# KiCad board Mechboard.kicad_pcb
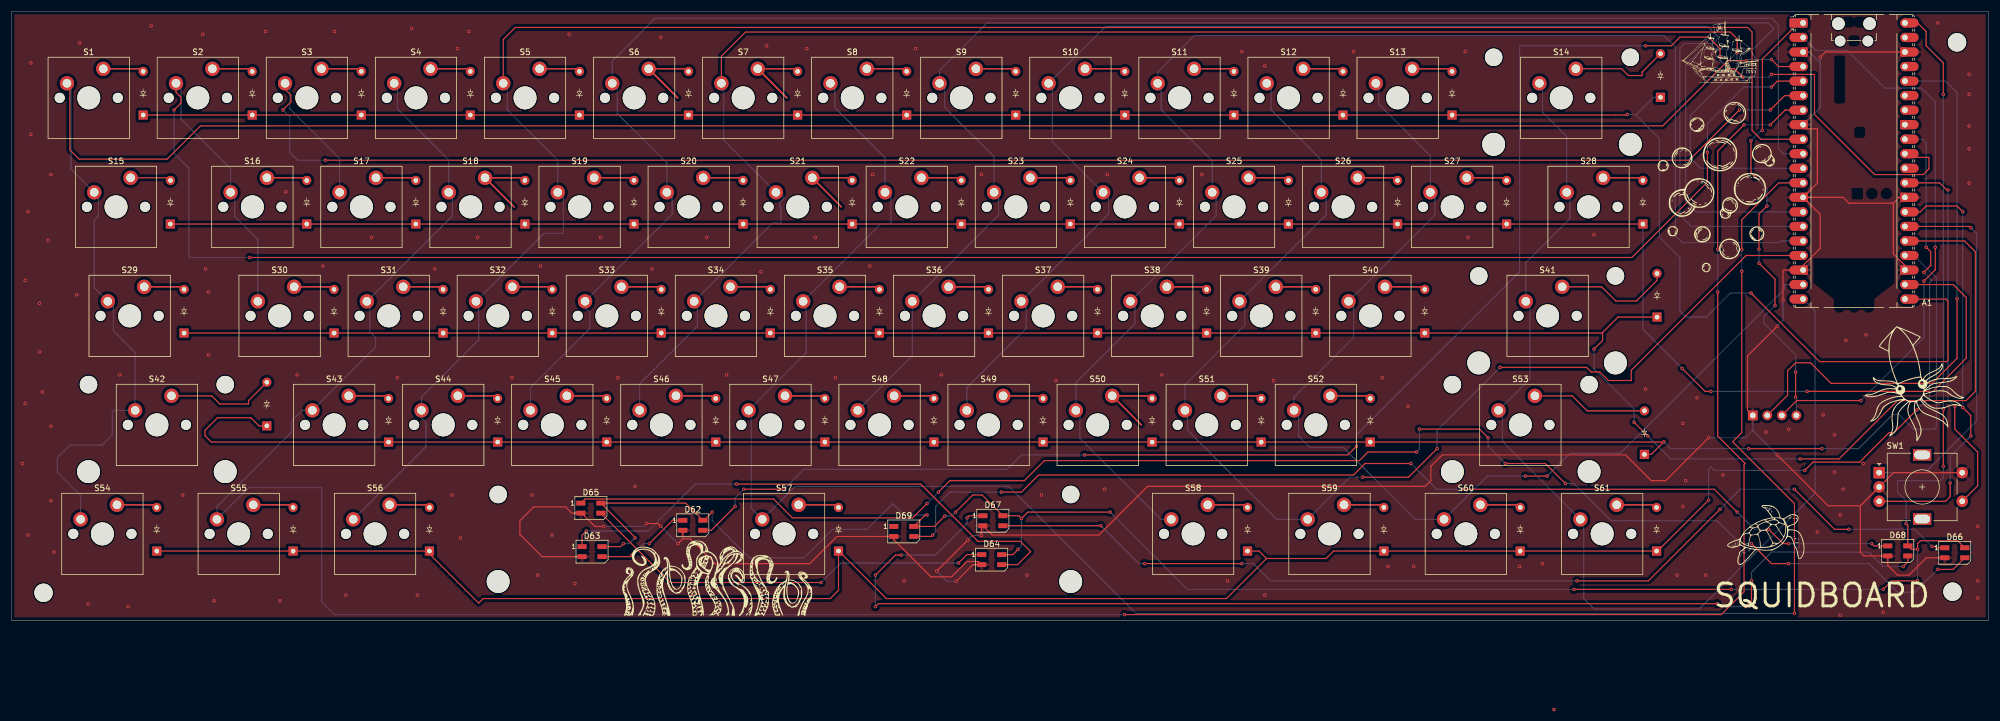
[diagram p0: board, top side]
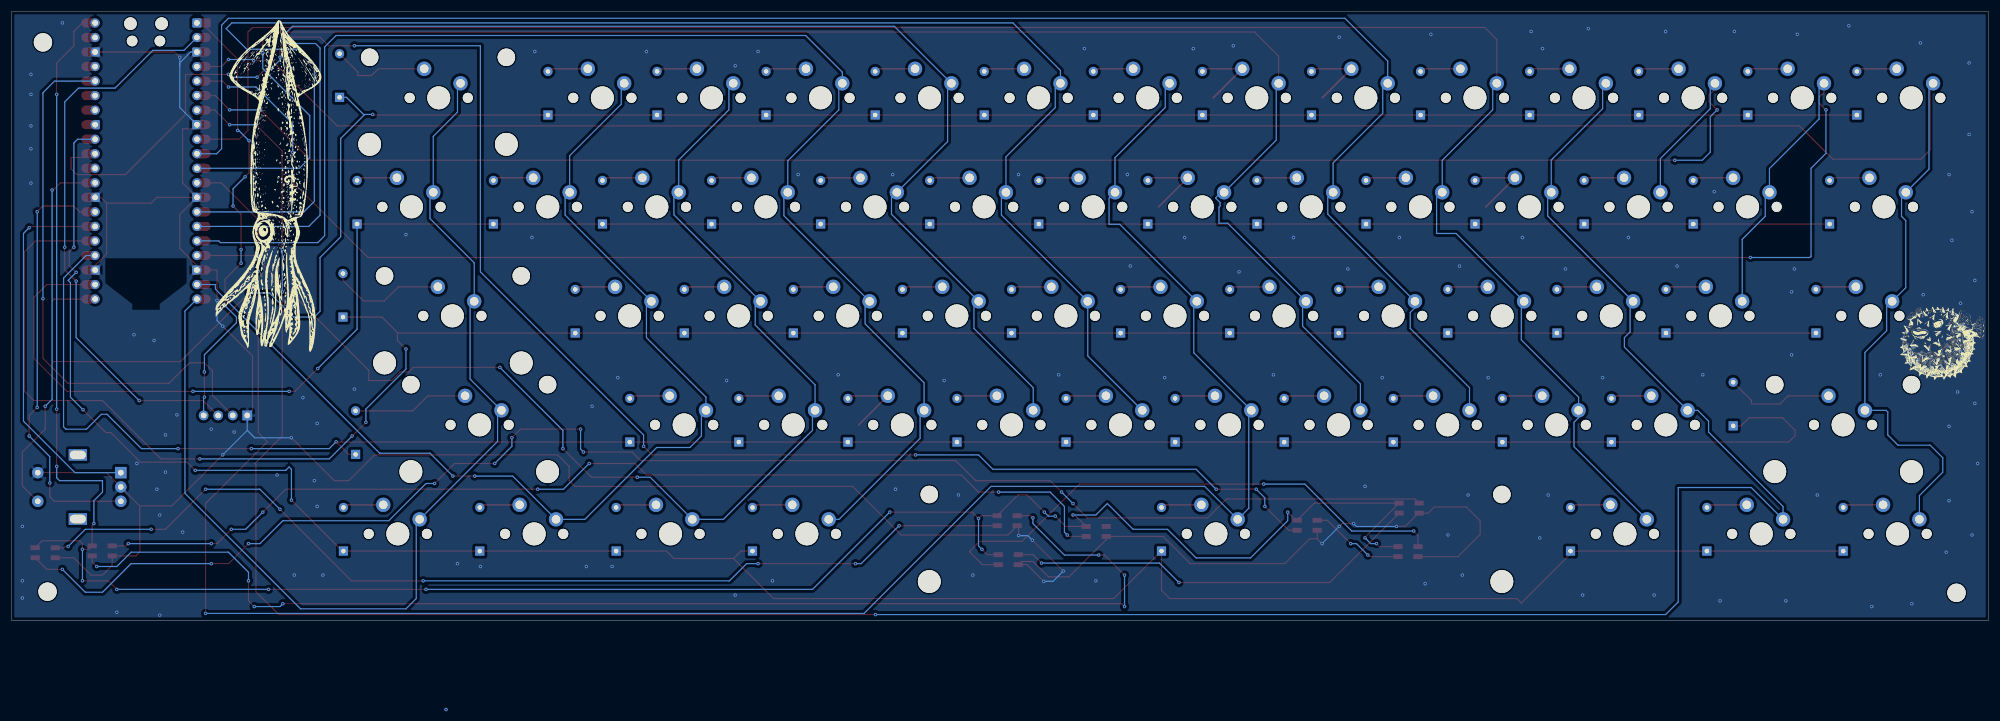
[diagram p1: board, bottom side, seen from below]

Outline 345.3 x 106.4 mm; copper layers: Top, Bottom. Coordinates in mm from the lower left corner of the outline.
Outline path: rectangle 0,106.4 345.3,0

## Placement (name value [footprint] x y rotation side)
A1  RaspberryPi_Pico  [RaspberryPi_Pico_Common_Unspecified]  321.8 80.26 0 top
D1  Diode  [Diode_DO-35]  23 88.3 90 top
D2  Diode  [Diode_DO-35]  42.05 88.3 90 top
D3  Diode  [Diode_DO-35]  61.1 88.3 90 top
D4  Diode  [Diode_DO-35]  80.15 88.3 90 top
D5  Diode  [Diode_DO-35]  99.2 88.3 90 top
D6  Diode  [Diode_DO-35]  118.25 88.3 90 top
D7  Diode  [Diode_DO-35]  137.3 88.3 90 top
D8  Diode  [Diode_DO-35]  156.35 88.3 90 top
D9  Diode  [Diode_DO-35]  175.4 88.3 90 top
D10  Diode  [Diode_DO-35]  194.45 88.3 90 top
D11  Diode  [Diode_DO-35]  213.5 88.3 90 top
D12  Diode  [Diode_DO-35]  232.55 88.3 90 top
D13  Diode  [Diode_DO-35]  251.6 88.3 90 top
D14  Diode  [Diode_DO-35]  288 91.39 90 top
D15  Diode  [Diode_DO-35]  27.76 69.25 90 top
D16  Diode  [Diode_DO-35]  51.57 69.25 90 top
D17  Diode  [Diode_DO-35]  70.62 69.25 90 top
D18  Diode  [Diode_DO-35]  89.68 69.25 90 top
D19  Diode  [Diode_DO-35]  108.72 69.25 90 top
D20  Diode  [Diode_DO-35]  127.78 69.25 90 top
D21  Diode  [Diode_DO-35]  146.83 69.25 90 top
D22  Diode  [Diode_DO-35]  165.88 69.25 90 top
D23  Diode  [Diode_DO-35]  184.93 69.25 90 top
D24  Diode  [Diode_DO-35]  203.97 69.25 90 top
D25  Diode  [Diode_DO-35]  223.03 69.25 90 top
D26  Diode  [Diode_DO-35]  242.08 69.25 90 top
D27  Diode  [Diode_DO-35]  261.12 69.25 90 top
D28  Diode  [Diode_DO-35]  284.94 69.25 90 top
D29  Diode  [Diode_DO-35]  30.14 50.2 90 top
D30  Diode  [Diode_DO-35]  56.34 50.2 90 top
D31  Diode  [Diode_DO-35]  75.39 50.2 90 top
D32  Diode  [Diode_DO-35]  94.44 50.2 90 top
D33  Diode  [Diode_DO-35]  113.49 50.2 90 top
D34  Diode  [Diode_DO-35]  132.54 50.2 90 top
D35  Diode  [Diode_DO-35]  151.59 50.2 90 top
D36  Diode  [Diode_DO-35]  170.64 50.2 90 top
D37  Diode  [Diode_DO-35]  189.69 50.2 90 top
D38  Diode  [Diode_DO-35]  208.74 50.2 90 top
D39  Diode  [Diode_DO-35]  227.79 50.2 90 top
D40  Diode  [Diode_DO-35]  246.84 50.2 90 top
D41  Diode  [Diode_DO-35]  287.4 52.99 90 top
D42  Diode  [Diode_DO-35]  44.6 33.98 90 top
D43  Diode  [Diode_DO-35]  65.86 31.15 90 top
D44  Diode  [Diode_DO-35]  84.91 31.15 90 top
D45  Diode  [Diode_DO-35]  103.96 31.15 90 top
D46  Diode  [Diode_DO-35]  123.01 31.15 90 top
D47  Diode  [Diode_DO-35]  142.06 31.15 90 top
D48  Diode  [Diode_DO-35]  161.11 31.15 90 top
D49  Diode  [Diode_DO-35]  180.16 31.15 90 top
D50  Diode  [Diode_DO-35]  199.21 31.15 90 top
D51  Diode  [Diode_DO-35]  218.26 31.15 90 top
D52  Diode  [Diode_DO-35]  237.31 31.15 90 top
D53  Diode  [Diode_DO-35]  285.2 28.99 90 top
D54  Diode  [Diode_DO-35]  25.38 12.1 90 top
D55  Diode  [Diode_DO-35]  49.19 12.1 90 top
D56  Diode  [Diode_DO-35]  73.01 12.1 90 top
D57  Diode  [Diode_DO-35]  144.44 12.1 90 top
D58  Diode  [Diode_DO-35]  215.88 12.1 90 top
D59  Diode  [Diode_DO-35]  239.69 12.1 90 top
D60  Diode  [Diode_DO-35]  263.51 12.1 90 top
D61  Diode  [Diode_DO-35]  287.32 12.1 90 top
D62  SK6812MINI  [LED_SK6812MINI_PLCC4_3.5x3.5mm_P1.75mm]  119 16.6 0 top
D63  SK6812MINI  [LED_SK6812MINI_PLCC4_3.5x3.5mm_P1.75mm]  101.4 12 0 top
D64  SK6812MINI  [LED_SK6812MINI_PLCC4_3.5x3.5mm_P1.75mm]  171.2 10.6 0 top
D65  SK6812MINI  [LED_SK6812MINI_PLCC4_3.5x3.5mm_P1.75mm]  101.2 19.6 0 top
D66  SK6812MINI  [LED_SK6812MINI_PLCC4_3.5x3.5mm_P1.75mm]  339.4 11.8 0 top
D67  SK6812MINI  [LED_SK6812MINI_PLCC4_3.5x3.5mm_P1.75mm]  171.4 17.4 0 top
D68  SK6812MINI  [LED_SK6812MINI_PLCC4_3.5x3.5mm_P1.75mm]  329.45 12.12 0 top
D69  SK6812MINI  [LED_SK6812MINI_PLCC4_3.5x3.5mm_P1.75mm]  155.85 15.53 0 top
G***  -  [LOGO]  298.4 99.4 0 top
G***#2  -  [LOGO]  306.55 15.68 0 top
G***#3  -  [LOGO]  297.8 76.2 0 top
G***#4  -  [LOGO]  332.4 41.4 0 top
G***#5  -  [LOGO]  123.4 7.9 0 top
G***#6  -  [LOGO]  296.81 75.39 270 bottom
G***#7  -  [LOGO]  7.9 48.4 180 bottom
J1  -  [OLED_128x64]  307.93 35.8 0 top
REF**  -  [MountingHole_3.2mm_M3]  5.6 4.8 0 top
REF**#2  -  [Stabilizer_MX_2.00u]  270.8 91.4 0 top
REF**#3  -  [MountingHole_3.2mm_M3]  339 5 0 top
REF**#4  -  [MountingHole_3.2mm_M3]  339.8 101 0 top
REF**#5  -  [Stabilizer_MX_2.00u]  263.6 34.2 0 top
REF**#6  -  [Stabilizer_MX_2.00u]  268.2 53.2 0 top
REF**#7  -  [Stabilizer_MX_6.25u]  135 15 0 top
REF**#8  -  [Stabilizer_MX_2.00u]  25.4 34.2 0 top
S1  Keyswitch  [MX_PCB_1.00u]  13.5 91.3 0 top
S2  Keyswitch  [MX_PCB_1.00u]  32.55 91.3 0 top
S3  Keyswitch  [MX_PCB_1.00u]  51.6 91.3 0 top
S4  Keyswitch  [MX_PCB_1.00u]  70.65 91.3 0 top
S5  Keyswitch  [MX_PCB_1.00u]  89.7 91.3 0 top
S6  Keyswitch  [MX_PCB_1.00u]  108.75 91.3 0 top
S7  Keyswitch  [MX_PCB_1.00u]  127.8 91.3 0 top
S8  Keyswitch  [MX_PCB_1.00u]  146.85 91.3 0 top
S9  Keyswitch  [MX_PCB_1.00u]  165.9 91.3 0 top
S10  Keyswitch  [MX_PCB_1.00u]  184.95 91.3 0 top
S11  Keyswitch  [MX_PCB_1.00u]  204 91.3 0 top
S12  Keyswitch  [MX_PCB_1.00u]  223.05 91.3 0 top
S13  Keyswitch  [MX_PCB_1.00u]  242.1 91.3 0 top
S14  Keyswitch  [MX_PCB_2.00u]  270.67 91.3 0 top
S15  Keyswitch  [MX_PCB_1.50u]  18.26 72.25 0 top
S16  Keyswitch  [MX_PCB_1.00u]  42.07 72.25 0 top
S17  Keyswitch  [MX_PCB_1.00u]  61.12 72.25 0 top
S18  Keyswitch  [MX_PCB_1.00u]  80.18 72.25 0 top
S19  Keyswitch  [MX_PCB_1.00u]  99.22 72.25 0 top
S20  Keyswitch  [MX_PCB_1.00u]  118.28 72.25 0 top
S21  Keyswitch  [MX_PCB_1.00u]  137.33 72.25 0 top
S22  Keyswitch  [MX_PCB_1.00u]  156.38 72.25 0 top
S23  Keyswitch  [MX_PCB_1.00u]  175.43 72.25 0 top
S24  Keyswitch  [MX_PCB_1.00u]  194.47 72.25 0 top
S25  Keyswitch  [MX_PCB_1.00u]  213.53 72.25 0 top
S26  Keyswitch  [MX_PCB_1.00u]  232.58 72.25 0 top
S27  Keyswitch  [MX_PCB_1.00u]  251.63 72.25 0 top
S28  Keyswitch  [MX_PCB_1.50u]  275.44 72.25 0 top
S29  Keyswitch  [MX_PCB_1.75u]  20.64 53.2 0 top
S30  Keyswitch  [MX_PCB_1.00u]  46.84 53.2 0 top
S31  Keyswitch  [MX_PCB_1.00u]  65.89 53.2 0 top
S32  Keyswitch  [MX_PCB_1.00u]  84.94 53.2 0 top
S33  Keyswitch  [MX_PCB_1.00u]  103.99 53.2 0 top
S34  Keyswitch  [MX_PCB_1.00u]  123.04 53.2 0 top
S35  Keyswitch  [MX_PCB_1.00u]  142.09 53.2 0 top
S36  Keyswitch  [MX_PCB_1.00u]  161.14 53.2 0 top
S37  Keyswitch  [MX_PCB_1.00u]  180.19 53.2 0 top
S38  Keyswitch  [MX_PCB_1.00u]  199.24 53.2 0 top
S39  Keyswitch  [MX_PCB_1.00u]  218.29 53.2 0 top
S40  Keyswitch  [MX_PCB_1.00u]  237.34 53.2 0 top
S41  Keyswitch  [MX_PCB_2.25u]  268.29 53.2 0 top
S42  Keyswitch  [MX_PCB_2.25u]  25.41 34.15 0 top
S43  Keyswitch  [MX_PCB_1.00u]  56.36 34.15 0 top
S44  Keyswitch  [MX_PCB_1.00u]  75.41 34.15 0 top
S45  Keyswitch  [MX_PCB_1.00u]  94.46 34.15 0 top
S46  Keyswitch  [MX_PCB_1.00u]  113.51 34.15 0 top
S47  Keyswitch  [MX_PCB_1.00u]  132.56 34.15 0 top
S48  Keyswitch  [MX_PCB_1.00u]  151.61 34.15 0 top
S49  Keyswitch  [MX_PCB_1.00u]  170.66 34.15 0 top
S50  Keyswitch  [MX_PCB_1.00u]  189.71 34.15 0 top
S51  Keyswitch  [MX_PCB_1.00u]  208.76 34.15 0 top
S52  Keyswitch  [MX_PCB_1.00u]  227.81 34.15 0 top
S53  Keyswitch  [MX_PCB_2.75u]  263.53 34.15 0 top
S54  Keyswitch  [MX_PCB_1.25u]  15.88 15.1 0 top
S55  Keyswitch  [MX_PCB_1.25u]  39.69 15.1 0 top
S56  Keyswitch  [MX_PCB_1.25u]  63.51 15.1 0 top
S57  Keyswitch  [MX_PCB_6.25u]  134.94 15.1 0 top
S58  Keyswitch  [MX_PCB_1.25u]  206.38 15.1 0 top
S59  Keyswitch  [MX_PCB_1.25u]  230.19 15.1 0 top
S60  Keyswitch  [MX_PCB_1.25u]  254.01 15.1 0 top
S61  Keyswitch  [MX_PCB_1.25u]  277.82 15.1 0 top
SW1  RotaryEncoder_Switch  [RotaryEncoder_Alps_EC11E-Switch_Vertical_H20mm]  326.2 25.8 0 top

## Library data of the parts
A1 = -: Datasheet: https://datasheets.raspberrypi.com/pico/pico-datasheet.pdf; Description: Versatile and inexpensive microcontroller module powered by RP2040 dual-core Arm Cortex-M0+ processor up to 133 MHz, 264kB SRAM, 2MB QSPI flash; also supports Raspberry Pi Pico 2; ki_fp_filters: RaspberryPi?Pico?Common* RaspberryPi?Pico?SMD*
D1-D61 = -: Description: 1N4148 (DO-35) or 1N4148W (SOD-123); Sim.Device: D; Sim.Pins: 1=K 2=A; ki_fp_filters: D*DO?35*
D62-D69 = -: Datasheet: https://cdn-shop.adafruit.com/product-files/2686/SK6812MINI_REV.01-1-2.pdf; Description: RGB LED with integrated controller; ki_fp_filters: LED*SK6812MINI*PLCC*3.5x3.5mm*P1.75mm*
S1-S61 = -: Description: Push button switch, normally open, two pins, 45° tilted
SW1 = -: Description: Rotary encoder, dual channel, incremental quadrate outputs, with switch; ki_fp_filters: RotaryEncoder*Switch*

## Footprints (pads in the part's own frame, mm; a bottom-side part is the same pattern mirrored in y, then rotated)
Diode_DO-35
  rect 1.6x1.6 hole 0.8: 1(0,0)
  oval 1.6x1.6 hole 0.8: 2(7.62,0)
LED_SK6812MINI_PLCC4_3.5x3.5mm_P1.75mm
  rect 1.6x0.85 smd: 1(-1.75,0.875) 2(-1.75,-0.875) 3(1.75,-0.875) 4(1.75,0.875)
MountingHole_3.2mm_M3
  round 3.2 hole 3.2 unplated: (0,0)
MX_PCB_1.00u
  round 1.75 hole 1.75 unplated: (-5.08,0) (5.08,0)
  round 4 hole 4 unplated: (0,0)
  round 2.5 hole 1.5: 1(-3.81,2.54) 2(2.54,5.08)
MX_PCB_1.25u
  round 1.75 hole 1.75 unplated: (-5.08,0) (5.08,0)
  round 4 hole 4 unplated: (0,0)
  round 2.5 hole 1.5: 1(-3.81,2.54) 2(2.54,5.08)
MX_PCB_1.50u
  round 1.75 hole 1.75 unplated: (-5.08,0) (5.08,0)
  round 4 hole 4 unplated: (0,0)
  round 2.5 hole 1.5: 1(-3.81,2.54) 2(2.54,5.08)
MX_PCB_1.75u
  round 1.75 hole 1.75 unplated: (-5.08,0) (5.08,0)
  round 4 hole 4 unplated: (0,0)
  round 2.5 hole 1.5: 1(-3.81,2.54) 2(2.54,5.08)
MX_PCB_2.00u
  round 1.75 hole 1.75 unplated: (-5.08,0) (5.08,0)
  round 4 hole 4 unplated: (0,0)
  round 2.5 hole 1.5: 1(-3.81,2.54) 2(2.54,5.08)
MX_PCB_2.25u
  round 1.75 hole 1.75 unplated: (-5.08,0) (5.08,0)
  round 4 hole 4 unplated: (0,0)
  round 2.5 hole 1.5: 1(-3.81,2.54) 2(2.54,5.08)
MX_PCB_2.75u
  round 1.75 hole 1.75 unplated: (-5.08,0) (5.08,0)
  round 4 hole 4 unplated: (0,0)
  round 2.5 hole 1.5: 1(-3.81,2.54) 2(2.54,5.08)
MX_PCB_6.25u
  round 1.75 hole 1.75 unplated: (-5.08,0) (5.08,0)
  round 4 hole 4 unplated: (0,0)
  round 2.5 hole 1.5: 1(-3.81,2.54) 2(2.54,5.08)
OLED_128x64
  rect 1.7x1.7 hole 1: 1(-3.81,0)
  oval 1.7x1.7 hole 1: 2(-1.27,0) 3(1.27,0) 4(3.81,0)
RaspberryPi_Pico_Common_Unspecified
  round 2.2 hole 2.2 unplated: (-2.725,24) (2.725,24)
  round 1.85 hole 1.85 unplated: (-2.425,20.97) (2.425,20.97)
  custom 3.2x1.6 smd: 1(-9.69,24.13) 3(-9.69,19.05) 8(-9.69,6.35) 13(-9.69,-6.35) 18(-9.69,-19.05) 23(9.69,-19.05) 28(9.69,-6.35) 33(9.69,6.35) 38(9.69,19.05)
  rrect 1.6x1.6 hole 1: 1(-8.89,24.13)
  rrect 3.2x1.6 smd: 2(-9.69,21.59) 4(-9.69,16.51) 5(-9.69,13.97) 6(-9.69,11.43) 7(-9.69,8.89) 9(-9.69,3.81) 10(-9.69,1.27) 11(-9.69,-1.27) 12(-9.69,-3.81) 14(-9.69,-8.89) 15(-9.69,-11.43) 16(-9.69,-13.97) 17(-9.69,-16.51) 19(-9.69,-21.59) 20(-9.69,-24.13) 21(9.69,-24.13) 22(9.69,-21.59) 24(9.69,-16.51) 25(9.69,-13.97) 26(9.69,-11.43) 27(9.69,-8.89) 29(9.69,-3.81) 30(9.69,-1.27) 31(9.69,1.27) 32(9.69,3.81) 34(9.69,8.89) 35(9.69,11.43) 36(9.69,13.97) 37(9.69,16.51) 39(9.69,21.59) 40(9.69,24.13)
  round 1.6 hole 1: 2(-8.89,21.59) 4(-8.89,16.51) 5(-8.89,13.97) 6(-8.89,11.43) 7(-8.89,8.89) 9(-8.89,3.81) 10(-8.89,1.27) 11(-8.89,-1.27) 12(-8.89,-3.81) 14(-8.89,-8.89) 15(-8.89,-11.43) 16(-8.89,-13.97) 17(-8.89,-16.51) 19(-8.89,-21.59) 20(-8.89,-24.13) 21(8.89,-24.13) 22(8.89,-21.59) 24(8.89,-16.51) 25(8.89,-13.97) 26(8.89,-11.43) 27(8.89,-8.89) 29(8.89,-3.81) 30(8.89,-1.27) 31(8.89,1.27) 32(8.89,3.81) 34(8.89,8.89) 35(8.89,11.43) 36(8.89,13.97) 37(8.89,16.51) 39(8.89,21.59) 40(8.89,24.13)
  custom 1.6x1.6 hole 1: 3(-8.89,19.05) 8(-8.89,6.35) 13(-8.89,-6.35) 18(-8.89,-19.05) 23(8.89,-19.05) 28(8.89,-6.35) 33(8.89,6.35) 38(8.89,19.05)
RotaryEncoder_Alps_EC11E-Switch_Vertical_H20mm
  rect 2x2 hole 1: A(0,0)
  round 2 hole 1: B(0,-5) C(0,-2.5) S1(14.5,-5) S2(14.5,0)
  rect 3.2x2 hole 2.8x1.5: MP(7.5,3.1) MP(7.5,-8.1)
Stabilizer_MX_2.00u
  round 3.048 hole 3.048 unplated: (-11.938,6.985) (11.938,6.985)
  round 3.988 hole 3.988 unplated: (-11.938,-8.225) (11.938,-8.225)
Stabilizer_MX_6.25u
  round 3.048 hole 3.048 unplated: (-50,6.985) (50,6.985)
  round 3.988 hole 3.988 unplated: (-50,-8.225) (50,-8.225)

## Nets
+3.3V: A1.36 J1.2
+5V: A1.40 D62.4 D63.4 D64.4 D65.4 D66.4 D67.4 D68.4 D69.4
GND: A1.3 A1.8 A1.13 A1.18 A1.23 A1.28 A1.38 D62.2 D63.2 D64.2 D65.2 D66.2 D67.2 D68.2 D69.2 J1.1 SW1.C SW1.S2
Column1: A1.4 S1.1 S15.1 S29.1 S42.1 S54.1
Column2: A1.5 S2.1 S16.1 S30.1
Column3: A1.6 S3.1 S17.1
Column4: A1.7 S4.1 S18.1 S31.1 S43.1 S55.1
Column5: A1.9 S5.1 S19.1 S32.1 S44.1 S56.1
Column6: A1.10 S6.1 S20.1 S33.1 S45.1
Column7: A1.11 S7.1 S21.1 S34.1 S46.1
Column8: A1.12 S8.1 S22.1 S35.1 S47.1 S57.1
Column9: A1.14 S9.1 S23.1 S36.1 S48.1
Column10: A1.15 S10.1 S24.1 S37.1 S49.1
Column11: A1.16 S11.1 S25.1 S38.1 S50.1 S58.1
Column12: A1.17 S12.1 S26.1 S39.1 S51.1 S59.1
Column13: A1.19 S13.1 S27.1 S40.1 S52.1 S60.1
Column14: A1.20 S14.1 S28.1 S41.1 S53.1 S61.1
LED: A1.31 D62.3
RotA: A1.26 SW1.A
RotB: A1.27 SW1.B
RotS: A1.29 SW1.S1
Row1: A1.21 D1.1 D2.1 D3.1 D4.1 D5.1 D6.1 D7.1 D8.1 D9.1 D10.1 D11.1 D12.1 D13.1 D14.1
Row2: A1.22 D15.1 D16.1 D17.1 D18.1 D19.1 D20.1 D21.1 D22.1 D23.1 D24.1 D25.1 D26.1 D27.1 D28.1
Row3: A1.25 D29.1 D30.1 D31.1 D32.1 D33.1 D34.1 D35.1 D36.1 D37.1 D38.1 D39.1 D40.1 D41.1
Row4: A1.24 D42.1 D43.1 D44.1 D45.1 D46.1 D47.1 D48.1 D49.1 D50.1 D51.1 D52.1 D53.1
Row5: A1.32 D54.1 D55.1 D56.1 D57.1 D58.1 D59.1 D60.1 D61.1
SCL: A1.2 J1.3
SDA: A1.1 J1.4
Net-(D1-A): D1.2 S1.2
Net-(D2-A): D2.2 S2.2
Net-(D3-A): D3.2 S3.2
Net-(D4-A): D4.2 S4.2
Net-(D5-A): D5.2 S5.2
Net-(D6-A): D6.2 S6.2
Net-(D7-A): D7.2 S7.2
Net-(D8-A): D8.2 S8.2
Net-(D9-A): D9.2 S9.2
Net-(D10-A): D10.2 S10.2
Net-(D11-A): D11.2 S11.2
Net-(D12-A): D12.2 S12.2
Net-(D13-A): D13.2 S13.2
Net-(D14-A): D14.2 S14.2
Net-(D15-A): D15.2 S15.2
Net-(D16-A): D16.2 S16.2
Net-(D17-A): D17.2 S17.2
Net-(D18-A): D18.2 S18.2
Net-(D19-A): D19.2 S19.2
Net-(D20-A): D20.2 S20.2
Net-(D21-A): D21.2 S21.2
Net-(D22-A): D22.2 S22.2
Net-(D23-A): D23.2 S23.2
Net-(D24-A): D24.2 S24.2
Net-(D25-A): D25.2 S25.2
Net-(D26-A): D26.2 S26.2
Net-(D27-A): D27.2 S27.2
Net-(D28-A): D28.2 S28.2
Net-(D29-A): D29.2 S29.2
Net-(D30-A): D30.2 S30.2
Net-(D31-A): D31.2 S31.2
Net-(D32-A): D32.2 S32.2
Net-(D33-A): D33.2 S33.2
Net-(D34-A): D34.2 S34.2
Net-(D35-A): D35.2 S35.2
Net-(D36-A): D36.2 S36.2
Net-(D37-A): D37.2 S37.2
Net-(D38-A): D38.2 S38.2
Net-(D39-A): D39.2 S39.2
Net-(D40-A): D40.2 S40.2
Net-(D41-A): D41.2 S41.2
Net-(D42-A): D42.2 S42.2
Net-(D43-A): D43.2 S43.2
Net-(D44-A): D44.2 S44.2
Net-(D45-A): D45.2 S45.2
Net-(D46-A): D46.2 S46.2
Net-(D47-A): D47.2 S47.2
Net-(D48-A): D48.2 S48.2
Net-(D49-A): D49.2 S49.2
Net-(D50-A): D50.2 S50.2
Net-(D51-A): D51.2 S51.2
Net-(D52-A): D52.2 S52.2
Net-(D53-A): D53.2 S53.2
Net-(D54-A): D54.2 S54.2
Net-(D55-A): D55.2 S55.2
Net-(D56-A): D56.2 S56.2
Net-(D57-A): D57.2 S57.2
Net-(D58-A): D58.2 S58.2
Net-(D59-A): D59.2 S59.2
Net-(D60-A): D60.2 S60.2
Net-(D61-A): D61.2 S61.2
Net-(D62-DOUT): D62.1 D63.3
Net-(D63-DOUT): D63.1 D64.3
Net-(D64-DOUT): D64.1 D65.3
Net-(D65-DOUT): D65.1 D66.3
Net-(D66-DOUT): D66.1 D67.3
Net-(D67-DOUT): D67.1 D68.3
Net-(D68-DOUT): D68.1 D69.3

Pads without a net: A1 30 33 34 35 37 39; D69 1; SW1 MP

## Via types
v1: diameter 0.6, hole 0.3, Top to Bottom, 264 vias

## Routing (per net, layer and track width the routed paths; a pad name or vN(x,y) marks a point on that pad's centre or on a via; arc(x,y) is an arc through that point)
+3.3V: length 99.1
  Top w0.2: J1.2 310.2,39.34 310.2,43.6 311.6,45 314.2,45 317.8,41.4 335.4,41.4 339.8,45.8 v1(339.8,56.2)
  Bottom w0.2: v1(339.8,56.2) 339.8,92.2 337.77,94.23 A1.36
+5V: length 402
  Top w0.2: v1(159.9,18.4) 159.6,18.4 D69.4 161.2,16.4 v1(163,18.2) ; D64.4 174.88,11.48 v1(175.8,12.4) ; v1(122.4,18.9) 120.97,17.48 D62.4 117.75,20.48 D65.4 108.9,14.53 v1(108.9,14.4) ; v1(337.4,26.9) v1(337.4,36.9) ; v1(337.4,91.9) 337.4,97.4 334.4,100.4 334.4,102.9 332.91,104.39 A1.40 ; D63.4 106.38,12.88 v1(106.9,13.4) ; v1(272.9,5.4) v1(300.4,5.4) ; v1(326.9,5.4) 328.4,6.9 v1(332.9,6.9) ; v1(191.9,18.9) 177.5,18.9 v1(176.4,17.8) 175.93,18.28 D67.4 169.53,21.9 167.9,21.9 v1(164.9,18.9) ; D66.4 339.92,13.9 333.4,13.9 332.9,13.4 v1(332.9,12.4) 331.8,12.4 D68.4 331.2,16.6 v1(330.9,16.9)
  Bottom w0.2: v1(159.9,18.4) 155.9,18.4 153.9,20.4 149.4,15.9 143.4,15.9 138.4,10.9 128.9,10.9 122.4,17.4 v1(122.4,18.9) ; v1(106.9,13.4) 107.9,13.4 v1(108.9,14.4) ; v1(175.8,12.4) 176.4,13 v1(176.4,17.8) ; v1(337.4,36.9) v1(337.4,91.9) ; v1(300.4,5.4) v1(326.9,5.4) ; v1(164.9,18.9) 164.2,18.2 v1(163,18.2) ; v1(337.4,26.9) 337.4,24.9 336.9,24.4 329.4,24.4 329.4,22.4 330.9,20.9 v1(330.9,16.9) ; v1(191.9,18.9) 205.4,5.4 v1(272.9,5.4) ; v1(332.9,12.4) v1(332.9,6.9)
GND: length 479.8
  Top w0.2: v1(315.9,98.4) 316.81,99.31 A1.38 ; 117.25,14.25 D62.2 ; 117.25,14.25 118.55,14.25 122.9,9.9 139.4,9.9 144.15,14.65 D69.2 154.1,14.1 160.6,7.6 164.2,7.6 166.87,10.27 168.9,10.27 D64.2 167.93,9.73 v1(165,6.8) ; 117.25,14.25 v1(116.4,13.4) ; A1.13 319.89,73.91 320.9,72.9 328.68,72.9 ; A1.13 315.4,76.4 315.4,85.9 313.62,85.9 A1.8 ; A1.13 315.9,70.92 315.9,65.01 312.91,62.02 A1.18 309.59,61.21 309.4,61.03 v1(309.4,55.9) ; v1(169.4,14.8) 169.4,16.28 D67.2 171.28,14.9 189.9,14.9 198.4,23.4 246.9,23.4 247.9,24.4 247.9,26.9 249.9,28.9 281.9,28.9 286.4,24.4 288.9,24.4 v1(296.4,31.9) ; v1(103.4,16.4) 101.9,16.4 99.57,18.73 D65.2 97.88,18.73 96.8,19.8 91.2,19.8 88.8,17.4 88.8,15 92.68,11.12 D63.2 ; 328.68,72.9 329.69,73.91 A1.28 ; 328.68,72.9 328.68,64.03 330.69,62.02 A1.23 ; 322.9,20 SW1.C 328.7,25.8 SW1.S2 ; 322.9,20 317.3,20 v1(308.4,28.9) ; 322.9,20 322.9,11.9 323.55,11.25 D68.2 327.7,9.6 329.4,7.9 331.4,7.9 334.42,10.93 D66.2 ; v1(110.9,16.9) 112.9,16.9 v1(113.4,16.4) ; v1(161.6,8.6) v1(167,14) ; v1(308.4,51.4) 303.2,46.2 303.2,36.72 J1.1
  Bottom w0.2: v1(308.4,51.4) 309.4,52.4 v1(309.4,55.9) ; A1.3 313.99,99.31 315.9,97.4 315.9,96.9 ; 315.9,96.9 315.9,89.6 A1.8 ; 315.9,96.9 v1(315.9,98.4) ; v1(308.4,28.9) 304.12,33.18 ; 304.12,33.18 J1.1 ; 304.12,33.18 302.84,31.9 v1(296.4,31.9) ; v1(110.9,16.9) 110.4,16.4 v1(103.4,16.4) ; v1(169.4,14.8) 167.8,14.8 v1(167,14) ; v1(113.4,16.4) v1(116.4,13.4) ; v1(161.6,8.6) 163.4,6.8 v1(165,6.8)
  vias: v1(1.9,27.4) v1(2.4,59.4) v1(2.4,37.9) v1(2.9,71.4) v1(2.9,14.9) v1(3.4,97.4) v1(3.4,84.9) v1(4.9,55.4) v1(4.9,46.9) v1(5.4,39.9) v1(6.4,66.4) v1(6.9,77.9) v1(6.9,33.9) v1(6.9,20.9) v1(7.4,11.9) v1(11.4,56.9) v1(11.9,100.9) v1(13.4,2.9) v1(18.9,42.9) v1(20.4,2.4) v1(24.4,103.9) v1(29.9,21.9) v1(33.4,102.4) v1(33.9,61.4) v1(34.4,57.4) v1(34.4,46.4) v1(35.4,3.4) v1(44.4,102.9) v1(46.9,3.4) v1(47.9,74.9) v1(49.9,42.9) v1(54.4,61.9) v1(56.4,102.9) v1(58.4,4.4) v1(62.9,66.9) v1(67.4,42.4) v1(69.9,103.4) v1(70.9,4.4) v1(73.9,61.4) v1(76.9,21.9) v1(77.9,99.9) v1(78.4,14.4) v1(79.9,102.9) v1(81.4,66.9) v1(87.4,42.4) v1(90.9,21.9) v1(91.9,7.9) v1(92.4,61.9) v1(94.4,14.9) v1(97.4,102.4) v1(98.4,6.4) v1(102.9,66.9) v1(105.9,42.4) v1(108.9,23.4) v1(111.9,61.4) v1(113.4,101.9) v1(121.4,66.9) v1(124.9,42.9) v1(130.9,60.9) v1(131.9,100.4) v1(138.9,99.9) v1(140.4,66.9) v1(143.9,42.4) v1(149.9,61.9) v1(150.4,77.9) v1(155.9,6.9) v1(157.9,99.9) v1(162.4,42.9) v1(169.4,77.9) v1(177.4,7.9) v1(179.9,21.9) v1(182.4,41.9) v1(190.9,22.9) v1(191.4,77.9) v1(200.9,42.9) v1(207.9,77.9) v1(212.4,6.9) v1(214.9,99.4) v1(218.9,96.9) v1(218.9,4.4) v1(220.4,41.9) v1(234.4,99.4) v1(239.4,42.4) v1(240.4,9.4) v1(243.9,37.4) v1(244.9,9.4) v1(253.9,99.4) v1(254.4,66.9) v1(263.4,9.4) v1(267.4,9.9) v1(276.4,67.4) v1(285.4,40.4) v1(290.9,7.9) v1(291.9,34.4) v1(291.9,19.9) v1(292.4,24.4) v1(294.4,38.9) v1(295.9,7.9) v1(298.9,25.4) v1(306.4,32.9) v1(310.4,33.4) v1(315.4,15.4) v1(316.4,35.9) v1(318.4,32.4) v1(318.4,25.9) v1(319.4,18.4) v1(319.4,0.9) v1(319.9,22.9) v1(320.4,48.9) v1(323.4,27.4) v1(323.9,49.9) v1(326.9,1.4) v1(336.4,104.4) v1(341.9,95.4) v1(341.9,91.9) v1(341.9,86.4) v1(341.9,82.4) v1(341.9,76.4) v1(343.4,16.4) v1(343.4,6.9) v1(343.4,3.9)
(no net):
  vias: v1(269.4,-15.6)
Column1: length 417.5
  Top w0.2: v1(303,97.8) 299.8,97.8 288.4,86.4 33,86.4 27.2,80.6 11.8,80.6 10.2,82.2 10.2,93.33 S1.1 ; v1(307.4,98) 308.63,96.77 A1.4
  Bottom w0.2: S54.1 12.07,21.8 8,25.87 8,28.4 10.2,30.6 15.8,30.6 17.6,32.4 17.6,36.4 17.89,36.69 S42.1 21.6,46.8 17.8,50.6 17.8,54.77 S29.1 14.45,58.12 14.45,69.85 15.2,70.6 15.2,74.04 S15.1 10.4,78.84 10.4,93.13 S1.1 ; v1(303,97.8) 303.2,98 v1(307.4,98)
Column2: length 376.9
  Top w0.2: v1(296.2,81.8) 296.2,76.6 283,63.4 v1(41.6,63.4) ; v1(28.4,89.2) 29.6,90.4 29.6,91.4 28.74,92.26 S2.1 ; v1(307.4,93.2) 308.43,94.23 A1.5
  Bottom w0.2: v1(41.6,63.4) 31.2,63.4 31,63.6 31,79 28.4,81.6 v1(28.4,89.2) ; v1(307.4,93.2) 302.6,93.2 296.2,86.8 v1(296.2,81.8) ; S30.1 43.03,66.57 39,70.6 39,74.06 S16.1 38.27,78.94 29.6,87.6 29.6,92.98 S2.1
Column3: length 306.1
  Top w0.2: S3.1 47.79,92.81 48.8,91.8 48.8,90.6 v1(47.4,89.2) ; v1(54.8,80.4) 293,80.4 v1(301.8,89.2) ; v1(307.2,89.2) 309.69,91.69 A1.6
  Bottom w0.2: v1(301.8,89.2) v1(307.2,89.2) ; S3.1 48.6,93.03 48.6,89.4 57.32,80.69 57.32,74.79 ; v1(47.4,89.2) 48.6,88 48.6,81.8 50,80.4 v1(54.8,80.4)
Column4: length 488.3
  Top w0.2: v1(194.4,1) 298.6,1 302.6,5 302.6,27.2 302.8,27.4 298,32.2 v1(298,57.4) ; v1(307.2,86.6) 309.75,89.15 A1.7 ; v1(302.6,86.6) 298,82 v1(298,64.8)
  Bottom w0.2: S4.1 67.4,93.28 67.4,89.4 76.37,80.44 S18.1 77,74.16 77,70.66 S31.1 62.6,55.22 62.6,50.4 63.6,49.4 63.6,47.74 S43.1 50.78,36.69 48.9,34.81 48.9,32.9 35.88,19.88 S55.1 41.44,23.2 54.2,23.2 54.2,3.2 56.4,1 v1(194.4,1) ; v1(302.6,86.6) v1(307.2,86.6) ; v1(298,57.4) v1(298,64.8)
Column5: length 352.5
  Top w0.2: S5.1 85.89,101.49 88,103.6 303.2,103.6 304,102.8 304,85.6 305.53,84.07 A1.9
  Bottom w0.2: S56.1 72.4,30.34 72.4,34.6 71.6,35.4 S44.1 71.6,39 81.6,49 81.6,55.27 S32.1 92.99,67.6 96.4,67.6 96.4,73.81 S19.1 95.41,80.39 86.6,89.2 86.6,93.13 S5.1
Column6: length 309.8
  Bottom w0.2: S45.1 90.65,40.65 101,51 101,53.8 100.18,54.62 S33.1 115.4,70.96 115.4,73.86 S20.1 114.47,79.94 105.8,88.6 105.8,92.98 S6.1 104.94,97.74 112.4,105.2 307.4,105.2 308.6,104 308.6,82.4 309.47,81.53 A1.10
Column7: length 304.8
  Top w0.2: S7.1 123.99,98.59 128.2,102.8 300.2,102.8 301.4,101.6 v1(301.4,99.2) ; 311.21,78.99 A1.11
  Bottom w0.2: S7.1 124.4,93.43 124.4,83.91 S21.1 134.01,74.79 135,73.8 134.2,73 134.2,72.4 134.4,72.2 134.4,69.4 132.89,69.4 S34.1 119.8,55.17 119.8,51.4 109.7,41.3 S46.1 ; A1.11 295.01,78.99 293.2,80.8 293.2,88.2 301.4,96.4 v1(301.4,99.2)
Column8: length 372.5
  Top w0.2: v1(311.4,1.2) 311.4,20.4 300.6,31.2 302.2,32.8 v1(302.2,61) ; v1(302.2,64.8) 302.2,70 308.65,76.45 A1.12
  Bottom w0.2: S8.1 143.8,93.08 143.8,89.6 152.56,80.84 S22.1 153.6,73.75 153.6,69.2 151.74,69.2 S35.1 138.8,55.22 138.8,46.74 S47.1 129.2,36.24 129.2,19.57 S57.1 136.89,23.4 174.2,23.4 196.4,1.2 v1(311.4,1.2) ; v1(302.2,61) v1(302.2,64.8)
Column9: length 287.2
  Top w0.2: 312.29,71.37 A1.14
  Bottom w0.2: S48.1 157.33,46.22 S36.1 172.4,70.81 172.4,74 S23.1 171.62,80.99 163,89.6 163,92.93 S9.1 162.09,96.09 170.4,104.4 306.8,104.4 307.8,103.4 304.2,99.8 295.2,99.8 292.4,97 292.4,73.2 294.23,71.37 A1.14
Column10: length 253.5
  Bottom w0.2: A1.15 293.37,68.83 291.4,70.8 291.4,100 292.2,100.8 297.2,100.8 298.2,101.8 296.2,103.8 191.1,103.8 S10.1 181.8,93.18 181.8,83.66 S24.1 191.6,73.86 191.6,70.96 S37.1 177.2,54.92 177.2,51 166.85,40.65 S49.1
Column11: length 251
  Bottom w0.2: A1.16 309.09,66.29 308.8,66 291.8,66 290.6,67.2 290.6,100.2 288.6,102.2 206.6,102.2 200.19,95.79 S11.1 200.8,93.23 200.8,89.2 209.72,80.28 S25.1 210.4,74.11 210.4,70.71 S38.1 196.2,54.97 196.2,51.8 185.9,41.5 S50.1 186.6,35.99 186.6,31.8 200.76,17.64 S58.1
Column12: length 214
  Top w0.2: v1(249,30) 244,25 v1(236,25) ; A1.17 302.95,63.75 282.9,43.7 282.9,41.9 278.9,41.9 277.4,43.4 275.9,43.4 275.1,44.2 v1(260,44.2)
  Bottom w0.2: v1(249,30) 249,33.2 v1(260,44.2) ; v1(236,25) 233.74,25 S59.1 220.96,17.64 205.4,33.2 205.4,36.24 S51.1 204.95,41.15 215.4,51.6 215.4,54.82 S39.1 229.6,70.86 229.6,73.96 S26.1 228.77,80.44 220,89.2 220,93.08 S12.1
Column13: length 188.8
  Top w0.2: v1(264.4,25.2) v1(268.2,25.2)
  Bottom w0.2: v1(264.4,25.2) 257.76,25.2 S60.1 245.16,17.64 232.6,30.2 226.8,30.2 224.8,32.2 224.8,35.89 S52.1 224,39 234.4,49.4 234.4,54.87 S40.1 248.6,70.81 248.6,74 S27.1 247.82,81.19 238.8,90.2 238.8,93.33 S13.1 ; v1(268.2,25.2) 272.2,29.2 281,29.2 309.67,57.87 309.67,58.67 A1.19
Column14: length 188.5
  Bottom w0.2: A1.20 315,54.04 315,22.2 294.8,2 276.4,2 274.6,3.8 274.6,17.05 S61.1 260.4,31.25 260.4,36.01 S53.1 265.2,42.17 265.2,55.02 S41.1 264.48,62.48 272.2,70.2 272.2,74.22 S28.1 271.63,84.57 267.4,88.8 267.4,93.31 S14.1
LED: length 297.6
  Top w0.2: D62.3 122.22,15.73 v1(126.4,19.9) ; v1(127.9,22.9) v1(134.9,22.9) ; v1(234.9,30.4) 233.4,28.9 v1(187.4,28.9) ; v1(298.4,98.4) 298.4,99.9 296.4,101.9 291.4,101.9 289.9,100.4 v1(285.4,100.4) ; v1(307.4,95.4) 314.9,95.4 314.9,88.4 325.41,77.89 333.89,77.89 334.9,78.9 334.9,80.9 331.32,80.9 A1.31 ; v1(302.4,94.9) 300.9,96.4 v1(299.9,96.4)
  Bottom w0.2: v1(307.4,95.4) 306.9,94.9 v1(302.4,94.9) ; v1(127.9,22.9) 126.4,21.4 v1(126.4,19.9) ; v1(299.9,96.4) 298.4,97.9 v1(298.4,98.4) ; v1(285.4,100.4) 263.4,100.4 263.4,60.9 234.9,32.4 v1(234.9,30.4) ; v1(187.4,28.9) 176.4,28.9 173.9,26.4 138.4,26.4 v1(134.9,22.9)
RotA: length 66.5
  Top w0.2: A1.26 341.97,68.83 v1(342.2,68.6)
  Bottom w0.2: v1(342.2,68.6) 343.2,67.6 343.2,34.8 334.2,25.8 SW1.A
RotB: length 75.8
  Top w0.2: v1(340.8,37.2) 342.2,35.8 v1(342.2,32.2) ; A1.27 333.37,71.37 334.4,72.4 339.8,72.4 v1(340.8,71.4) ; SW1.B 337.8,20.8 338.6,21.6 v1(338.6,24)
  Bottom w0.2: v1(338.6,24) 338.6,28.6 v1(342.2,32.2) ; 340.8,71.6 v1(340.8,71.4) v1(340.8,37.2)
RotS: length 65.7
  Top w0.2: SW1.S1 343.4,23.5 343.4,29.4 339.4,33.4 v1(339.4,37.4) ; A1.29 336.75,76.45 338,75.2 v1(338.2,75.2)
  Bottom w0.2: v1(339.4,37.4) 338.2,38.6 v1(338.2,75.2)
Row1: length 376
  Top w0.2: v1(303.8,57.2) 315.8,45.2 338,45.2 338.2,45.4 338.2,55.8 337.87,56.13 A1.21 ; v1(282.2,88.4) 282.1,88.3 D1.1
  Bottom w0.2: 283.8,88.4 286.79,91.39 D14.1 ; 283.8,88.4 v1(282.2,88.4) ; 283.8,88.4 283.7,88.3 287.8,84.2 287.8,67 291.4,63.4 291.4,54 292.4,53 296,53 300.2,57.2 v1(303.8,57.2)
Row2: length 361.2
  Top w0.2: D15.1 D28.1 ; v1(313.6,40) 335.6,40 341.4,45.8 341.4,56.4 339.13,58.67 A1.22 ; v1(296.8,40) 295.8,40 v1(291.8,44)
  Bottom w0.2: D28.1 284.94,50.86 v1(291.8,44) ; v1(296.8,40) v1(313.6,40)
Row3: length 382.3
  Top w0.2: 277.9,50.3 280.58,52.99 D41.1 ; 277.9,50.3 277.79,50.2 D29.1 ; 277.9,50.3 277.9,48.9 v1(276.4,47.4) ; v1(283.4,34.6) v1(285.8,32.2) ; v1(312.4,28.2) 319.2,28.2 329.4,38.4 341.4,38.4 343,40 343,64.4 341.11,66.29 A1.25
  Bottom w0.2: v1(276.4,47.4) 276.4,43.9 283.4,36.9 v1(283.4,34.6) ; v1(312.4,28.2) 289.8,28.2 v1(285.8,32.2)
Row4: length 357.8
  Top w0.2: D42.1 43.22,33.98 41.8,35.4 36,35.4 33.8,33.2 33.8,32.26 34.91,31.15 288.55,31.15 v1(288.6,31.2) 286.39,28.99 D53.1 ; v1(316.2,30) v1(303.4,30)
  Bottom w0.2: v1(316.2,30) 322.6,30 328.6,36 329.6,36 332.2,33.4 335.8,33.4 336.2,33.8 336.2,59.8 332.25,63.75 A1.24 ; v1(288.6,31.2) 289.8,30 v1(303.4,30)
Row5: length 397
  Top w0.2: v1(334,60.8) 335.2,62 335.2,64.4 v1(334.4,65.2) ; 219.2,10.8 217.9,12.1 D58.1 ; 219.2,10.8 229.6,10.8 230.9,12.1 D59.1 D61.1 287.5,12.1 v1(296.4,21) ; 219.2,10.8 212.2,3.8 152.8,3.8 144.5,12.1 D57.1 144.44,5.24 143,3.8 82.4,3.8 81.6,3 73.01,11.59 D56.1 D54.1 ; v1(313.2,26.2) 314.65,27.65 322.8,27.65 327.95,32.8 328.8,32.8 v1(332.8,36.8)
  Bottom w0.2: v1(296.4,21) 296.4,26.4 296.8,26.8 297.4,26.2 v1(313.2,26.2) ; v1(334,60.8) 335.4,59.4 335,59 335,39 v1(332.8,36.8) ; v1(334.4,65.2) 334.4,83.4 333.73,84.07 A1.32
SCL: length 100.2
  Top w0.2: v1(334,59.27) 336,61.27 v1(336,65.2) ; v1(323,38.4) 311.8,38.4 J1.3
  Bottom w0.2: v1(336,65.2) 336,90.6 333.6,93 327.2,93 320.6,99.6 315.16,99.6 A1.2 ; v1(323,38.4) 334,49.4 v1(334,59.27)
SDA: length 79.2
  Top w0.2: v1(305.8,85.6) 305.8,98.08 A1.1 A1.1 ; v1(305.2,64.8) 305.2,71 v1(306.6,72.4) ; v1(303.8,83.8) 303.8,78.2 v1(304.5,77.5) ; v1(311.6,39) v1(311.6,43.4) ; v1(308,55) 308,59.6 v1(305.2,62.4)
  Bottom w0.2: v1(305.8,85.6) 305.6,85.6 v1(303.8,83.8) ; v1(311.6,43.4) 311.6,46.4 306,52 306,53 v1(308,55) ; v1(311.6,39) 311.74,38.86 J1.4 ; 304.4,77.6 v1(304.5,77.5) 306.6,75.4 v1(306.6,72.4) ; v1(305.2,62.4) v1(305.2,64.8)
Net-(D1-A): length 14.2
  Top w0.2: D1.2 22.54,96.38 S1.2 23.04,96.38
Net-(D2-A): length 14.2
  Top w0.2: D2.2 41.59,96.38 S2.2 42.09,96.38
Net-(D3-A): length 14.2
  Top w0.2: 61.14,96.38 S3.2 60.64,96.38 D3.2
Net-(D4-A): length 14.2
  Top w0.2: 80.19,96.38 S4.2 79.69,96.38 D4.2
Net-(D5-A): length 14.2
  Top w0.2: 99.24,96.38 S5.2 98.74,96.38 D5.2
Net-(D6-A): length 42.9
  Top w0.2: S6.2 116.37,91.3 ; S6.2 118.29,96.38 ; S6.2 116.37,91.3 ; S6.2 116.37,91.3 ; S6.2 117.79,96.38 D6.2 ; S6.2 116.37,91.3
Net-(D7-A): length 42.9
  Top w0.2: S7.2 135.42,91.3 ; S7.2 135.42,91.3 ; S7.2 135.42,91.3 ; S7.2 136.84,96.38 D7.2 ; S7.2 135.42,91.3 ; S7.2 137.34,96.38
Net-(D8-A): length 14.2
  Top w0.2: 156.39,96.38 S8.2 155.89,96.38 D8.2
Net-(D9-A): length 14.2
  Top w0.2: D9.2 174.94,96.38 S9.2 175.44,96.38
Net-(D10-A): length 14.2
  Top w0.2: 194.49,96.38 S10.2 193.99,96.38 D10.2
Net-(D11-A): length 14.2
  Top w0.2: D11.2 213.04,96.38 S11.2 213.54,96.38
Net-(D12-A): length 14.2
  Top w0.2: D12.2 232.09,96.38 S12.2 232.59,96.38
Net-(D13-A): length 14.2
  Top w0.2: 251.64,96.38 S13.2 251.14,96.38 D13.2
Net-(D14-A): length 17.2
  Top w0.2: S14.2 281.22,96.38 282.4,95.2 284.8,95.2 284.8,95.81 D14.2
Net-(D15-A): length 7.2
  Top w0.2: S15.2 27.3,77.33 D15.2
Net-(D16-A): length 14.2
  Top w0.2: 51.62,77.33 S16.2 51.12,77.33 D16.2
Net-(D17-A): length 14.2
  Top w0.2: D17.2 70.16,77.33 S17.2 70.66,77.33
Net-(D18-A): length 42.9
  Top w0.2: S18.2 87.79,72.25 ; S18.2 87.79,72.25 ; S18.2 87.79,72.25 ; S18.2 87.79,72.25 ; S18.2 89.22,77.33 D18.2 ; S18.2 89.72,77.33
Net-(D19-A): length 14.2
  Top w0.2: 108.77,77.33 101.76,77.33 108.27,77.33 D19.2
Net-(D20-A): length 14.2
  Top w0.2: D20.2 127.31,77.33 S20.2 127.81,77.33
Net-(D21-A): length 42.9
  Top w0.2: S21.2 144.94,72.25 ; S21.2 146.87,77.33 ; S21.2 144.94,72.25 ; S21.2 144.94,72.25 ; S21.2 146.37,77.33 D21.2 ; S21.2 144.94,72.25
Net-(D22-A): length 14.2
  Top w0.2: D22.2 165.41,77.33 S22.2 165.91,77.33
Net-(D23-A): length 14.2
  Top w0.2: D23.2 184.47,77.33 S23.2 184.97,77.33
Net-(D24-A): length 14.2
  Top w0.2: 204.02,77.33 197.02,77.33 203.52,77.33 D24.2
Net-(D25-A): length 14.2
  Top w0.2: D25.2 222.56,77.33 S25.2 223.06,77.33
Net-(D26-A): length 14.2
  Top w0.2: D26.2 241.61,77.33 235.11,77.33 242.11,77.33
Net-(D27-A): length 14.2
  Top w0.2: 261.16,77.33 254.16,77.33 260.66,77.33 D27.2
Net-(D28-A): length 14.2
  Top w0.2: D28.2 284.48,77.33 S28.2 284.98,77.33
Net-(D29-A): length 14.2
  Top w0.2: D29.2 29.68,58.28 S29.2 30.18,58.28
Net-(D30-A): length 14.2
  Top w0.2: D30.2 55.88,58.28 S30.2 56.38,58.28
Net-(D31-A): length 14.2
  Top w0.2: 75.43,58.28 S31.2 74.93,58.28 D31.2
Net-(D32-A): length 14.2
  Top w0.2: 94.48,58.28 S32.2 93.98,58.28 D32.2
Net-(D33-A): length 14.2
  Top w0.2: D33.2 113.03,58.28 S33.2 113.53,58.28
Net-(D34-A): length 14.2
  Top w0.2: D34.2 132.08,58.28 S34.2 132.58,58.28
Net-(D35-A): length 14.2
  Top w0.2: D35.2 151.13,58.28 S35.2 151.63,58.28
Net-(D36-A): length 14.2
  Top w0.2: D36.2 170.18,58.28 S36.2 170.68,58.28
Net-(D37-A): length 14.2
  Top w0.2: 189.73,58.28 S37.2 189.23,58.28 D37.2
Net-(D38-A): length 14.2
  Top w0.2: 208.78,58.28 S38.2 208.28,58.28 D38.2
Net-(D39-A): length 14.2
  Top w0.2: 227.83,58.28 S39.2 227.33,58.28 D39.2
Net-(D40-A): length 14.2
  Top w0.2: 246.88,58.28 S40.2 246.38,58.28 D40.2
Net-(D41-A): length 20.3
  Top w0.2: S41.2 277.72,58.28 280.2,55.8 283.8,55.8 287.4,59.4 D41.2
Net-(D42-A): length 19.2
  Top w0.2: D42.2 41.4,38.4 41.4,37.8 36.4,37.8 34.97,39.23 S42.2
Net-(D43-A): length 14.2
  Top w0.2: D43.2 65.4,39.23 S43.2 65.9,39.23
Net-(D44-A): length 14.2
  Top w0.2: D44.2 84.45,39.23 S44.2 84.95,39.23
Net-(D45-A): length 14.2
  Top w0.2: 104,39.23 S45.2 103.5,39.23 D45.2
Net-(D46-A): length 14.2
  Top w0.2: D46.2 122.55,39.23 S46.2 123.05,39.23
Net-(D47-A): length 14.2
  Top w0.2: 142.1,39.23 S47.2 141.6,39.23 D47.2
Net-(D48-A): length 14.2
  Top w0.2: D48.2 160.65,39.23 S48.2 161.15,39.23
Net-(D49-A): length 14.2
  Top w0.2: 180.2,39.23 S49.2 179.7,39.23 D49.2
Net-(D50-A): length 42.9
  Top w0.2: S50.2 197.33,34.15 ; S50.2 198.75,39.23 D50.2 ; S50.2 197.33,34.15 ; S50.2 199.25,39.23 ; S50.2 197.33,34.15 ; S50.2 197.33,34.15
Net-(D51-A): length 14.2
  Top w0.2: D51.2 217.8,39.23 S51.2 218.3,39.23
Net-(D52-A): length 14.2
  Top w0.2: D52.2 236.85,39.23 S52.2 237.35,39.23
Net-(D53-A): length 20.2
  Top w0.2: D53.2 275.19,36.61 272.57,39.23 S53.2
Net-(D54-A): length 14.2
  Top w0.2: D54.2 24.92,20.18 S54.2 25.42,20.18
Net-(D55-A): length 14.2
  Top w0.2: 49.23,20.18 S55.2 48.73,20.18 D55.2
Net-(D56-A): length 14.2
  Top w0.2: D56.2 72.55,20.18 S56.2 73.05,20.18
Net-(D57-A): length 14.2
  Top w0.2: D57.2 143.98,20.18 S57.2 144.48,20.18
Net-(D58-A): length 14.2
  Top w0.2: 215.92,20.18 S58.2 215.42,20.18 D58.2
Net-(D59-A): length 14.2
  Top w0.2: 239.73,20.18 S59.2 239.23,20.18 D59.2
Net-(D60-A): length 14.2
  Top w0.2: D60.2 263.05,20.18 S60.2 263.55,20.18
Net-(D61-A): length 14.2
  Top w0.2: 287.36,20.18 S61.2 286.86,20.18 D61.2
Net-(D62-DOUT): length 16.7
  Top w0.2: D62.1 115.47,17.48 v1(111.4,13.4) ; D63.3 108.12,11.12 v1(108.4,11.4)
  Bottom w0.2: v1(111.4,13.4) 110.4,13.4 v1(108.4,11.4)
Net-(D63-DOUT): length 94.9
  Top w0.2: D63.1 99.65,14.85 v1(100.4,15.6) ; D64.3 175.72,9.73 178,12 176.2,13.8 168.8,13.8 158.8,23.8 v1(126.6,23.8)
  Bottom w0.2: v1(126.6,23.8) 119.4,23.8 111.2,15.6 v1(100.4,15.6)
Net-(D64-DOUT): length 73.5
  Top w0.2: D65.3 115.08,6.6 v1(141.4,6.6) ; D64.1 166.88,11.48 v1(165.4,10)
  Bottom w0.2: v1(165.4,10) 144.8,10 v1(141.4,6.6)
Net-(D65-DOUT): length 267
  Top w0.2: v1(161.9,22.4) 163.9,24.4 176.9,24.4 180.4,27.9 235.4,27.9 236.9,29.4 v1(245.4,29.4) ; v1(310.4,9.9) 307.4,9.9 v1(303.9,13.4) ; D66.3 339.12,8.9 v1(336.4,8.9) ; v1(260.9,27.4) 267.9,27.4 v1(271.4,23.9) ; v1(245.9,33.4) 256.4,33.4 v1(257.9,31.9) ; D65.1 100.18,21.2 133.1,21.2 136.4,17.9 157.4,17.9 v1(159.9,20.4)
  Bottom w0.2: v1(271.4,23.9) 272.9,23.9 279.4,17.4 297.9,17.4 301.9,13.4 v1(303.9,13.4) ; v1(245.4,29.4) 245.9,29.9 v1(245.9,33.4) ; v1(260.9,27.4) 257.9,30.4 v1(257.9,31.9) ; v1(336.4,8.9) 332.4,4.9 329.4,4.9 324.4,9.9 v1(310.4,9.9) ; v1(159.9,20.4) v1(161.9,22.4)
Net-(D66-DOUT): length 179.5
  Top w0.2: v1(197.9,9.9) v1(214.9,9.9) ; D66.1 336.12,12.68 335.9,12.9 v1(335.4,12.9) ; v1(320.9,15.9) 318.4,15.9 v1(311.4,22.9) ; v1(273.4,6.9) 285.9,6.9 v1(298.4,19.4) ; 190.4,16.4 v1(190.28,16.53) D67.3
  Bottom w0.2: v1(320.9,15.9) 332.4,15.9 v1(335.4,12.9) ; v1(190.28,16.53) 196.9,9.9 v1(197.9,9.9) ; v1(298.4,19.4) 301.9,22.9 v1(311.4,22.9) ; v1(214.9,9.9) 216.9,9.9 219.9,6.9 v1(273.4,6.9)
Net-(D67-DOUT): length 219.1
  Top w0.2: v1(302.9,2.4) 303.9,3.4 v1(303.9,6.9) ; v1(330.4,9.4) 331.2,10.2 D68.3 ; v1(150.9,2.4) 151.4,2.9 v1(297.9,2.9) ; v1(150.9,7.9) 154.4,11.4 v1(155.4,11.4) ; D67.1 167.28,18.28 v1(166.9,17.9)
  Bottom w0.2: v1(302.9,2.4) 298.4,2.4 v1(297.9,2.9) ; v1(166.9,17.9) 166.9,16.9 161.4,11.4 v1(155.4,11.4) ; v1(330.4,9.4) 326.9,9.4 324.4,11.9 307.4,11.9 303.9,8.4 v1(303.9,6.9) ; v1(150.9,2.4) v1(150.9,7.9)
Net-(D68-DOUT): length 184
  Top w0.2: v1(244.4,27.4) 236.4,27.4 234.4,25.4 179.4,25.4 176.4,22.4 v1(172.9,22.4) ; v1(160.9,14.9) 160.65,14.65 D69.3 ; v1(324.9,13.4) 325.3,13 D68.1 ; v1(253.4,22.9) 297.4,22.9 v1(301.4,18.9) ; v1(306.9,15.9) 309.4,13.4 v1(310.4,13.4)
  Bottom w0.2: v1(253.4,22.9) 248.9,22.9 v1(244.4,27.4) ; v1(306.9,15.9) 304.4,15.9 v1(301.4,18.9) ; v1(310.4,13.4) v1(324.9,13.4) ; v1(160.9,14.9) 161.4,15.4 161.4,19.9 163.9,22.4 v1(172.9,22.4)

## Copper pours and planes (outline as drawn; the poured copper is in the pictures)
GND on Top, Bottom: 357.4,-29.6 -19.1,-26.6 -17.6,113.9 367.4,110.9

## Text on the board
F.Silkscreen: SQUIDBOARD
